# Altium PCB Backend_v1.PcbDoc (part 2 of 3)
Units mm, origin at the board's own origin, x right, y up, seen from the top; angles counter-clockwise.
Board outline 100 x 80 mm, 6 copper layers (Top Layer [SIG], Mid Layer 1 [GND], Mid Layer 2 [SIG], Mid Layer 3 [PWR], Mid Layer 4 [GND], Bottom Layer [SIG]), stack 1.597 mm thick; 235 components, 190 nets, 1031 pads, 639 vias.
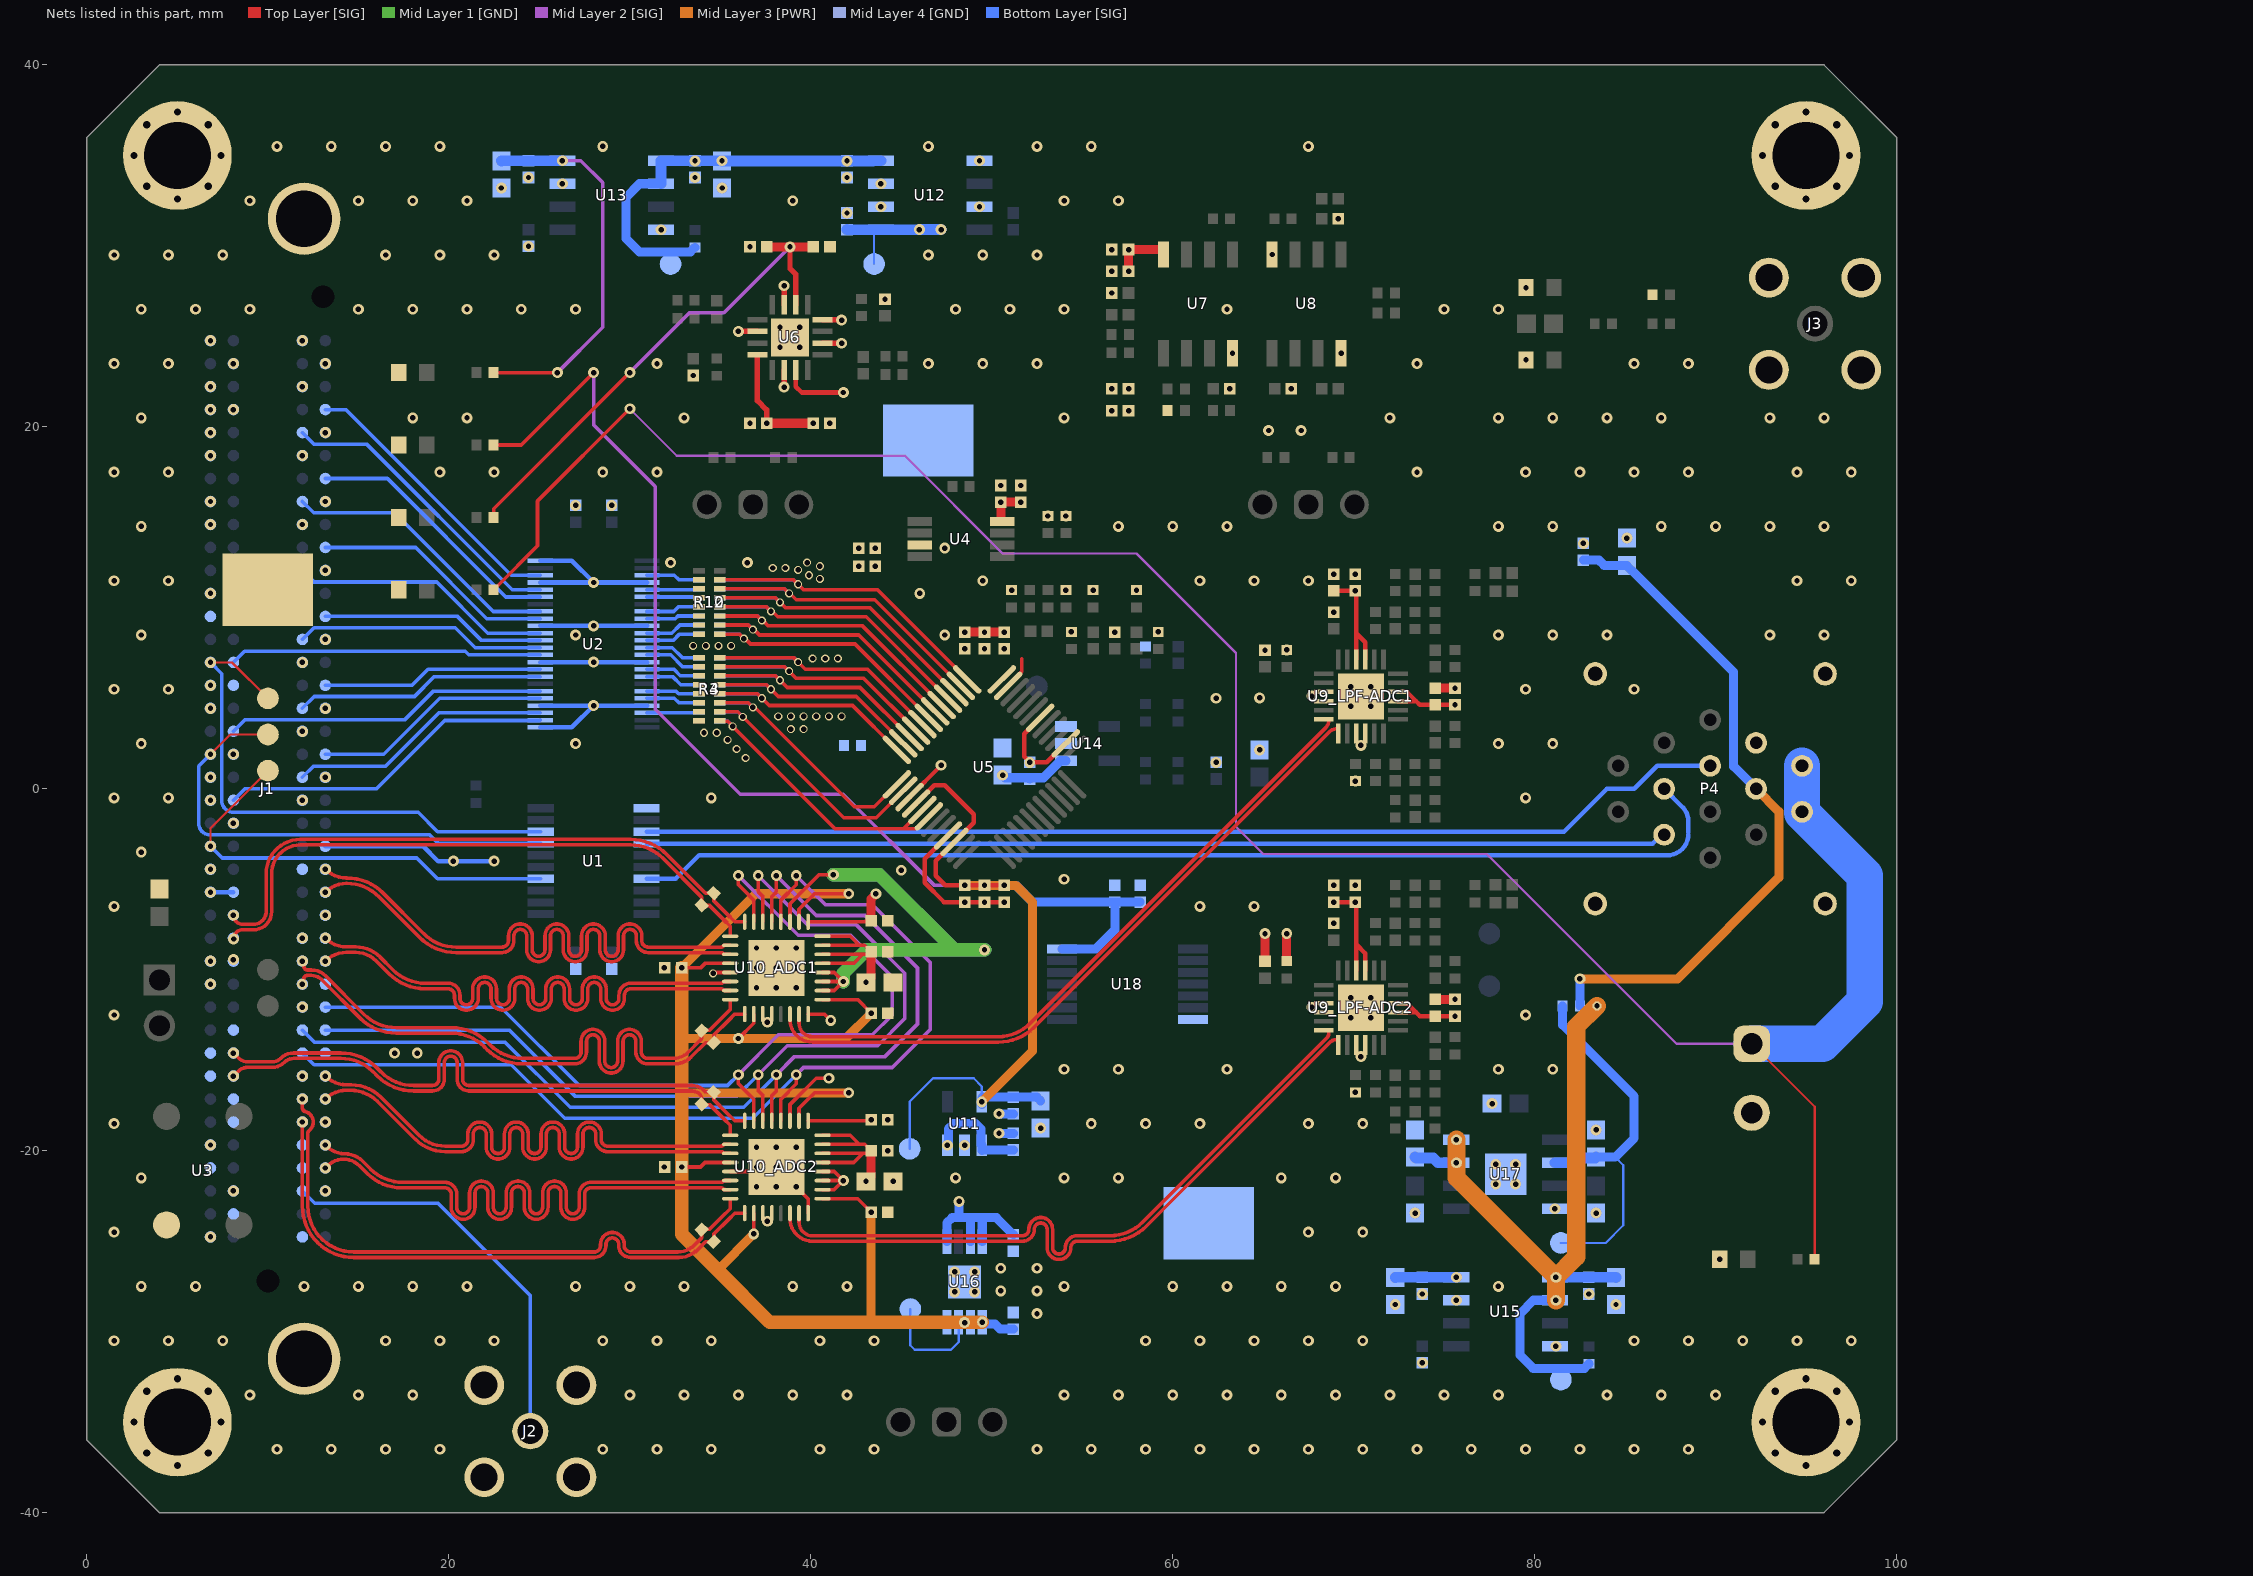
[diagram p6: the nets of this part, all layers, seen from the top]

## Via types
v1: diameter 0.6, hole 0.3, Top Layer [SIG] to Bottom Layer [SIG], tented both sides, 505 vias
v2: diameter 0.45, hole 0.3, Top Layer [SIG] to Bottom Layer [SIG], tented both sides, 43 vias
v3: diameter 0.8, hole 0.4, Top Layer [SIG] to Bottom Layer [SIG], tented both sides, 32 vias
v4: diameter 0.6, hole 0.3, Top Layer [SIG] to Bottom Layer [SIG], tented bottom, 30 vias
v5: diameter 0.5, hole 0.3, Top Layer [SIG] to Bottom Layer [SIG], tented both sides, 20 vias
v6: diameter 0.6, hole 0.3, Top Layer [SIG] to Bottom Layer [SIG], tented top, 8 vias
v7: diameter 0.6, hole 0.3, Top Layer [SIG] to Bottom Layer [SIG], 1 vias

## Nets (pads, with @x,y where several pads share a name; then routed paths per layer and width w, separated by ;. In a path a pad name is that pad's centre, name@x,y a point inside that pad or via, vN(x,y) a via of type N, cw(c..) or ccw(c..) an arc to the next point about the centre after c; other vN are vias at no path point)
+1V8: C58_ADC1.1 C58_ADC2.1 C59_ADC1.1 C59_ADC2.1 C82.1 pad.3@45.5,-28.75 U10_ADC1.2 U10_ADC1.12 U10_ADC1.18 U10_ADC1.25 U10_ADC2.2 U10_ADC2.12 U10_ADC2.18 U10_ADC2.25 U16.1 U16.2 U16.3 | length 104.5
  Top Layer [SIG] w0.2: v1(32.86,-20.9) 33.905,-20.9 34.155,-20.65 U10_ADC2.12@35.55,-20.65 ; v1(32.86,-9.9) 33.905,-9.9 34.155,-9.65 U10_ADC1.12@35.55,-9.65 ; v1(36,-13.8) 36.85,-12.95 U10_ADC1.18@36.85,-12.45 ; v1(36.85,-24.6) U10_ADC2.18@36.85,-23.45 ; U10_ADC2.2@39.35,-18.35 39.35,-17.65 40.2,-16.8 v1(42.1,-16.8) ; U10_ADC1.2@39.35,-7.35 39.35,-6.65 40.2,-5.8 v1(42.1,-5.8) ; U10_ADC2.25@40.65,-22.65 42.59,-22.65 v1(43.34,-23.4) ; U10_ADC1.25@40.65,-11.65 42.59,-11.65 v1(43.34,-12.4)
  Mid Layer 3 [PWR] w0.5: 32.86,-16.8 v1(42.1,-16.8) ; v1(32.86,-9.9) 36.96,-5.8 v1(42.1,-5.8) ; 33.15,-13.8 v1(36,-13.8) 41.94,-13.8 v1(43.34,-12.4) ; 34.85,-26.6 v1(36.85,-24.6) ; 43.34,-29.475 v1(43.34,-23.4)
  Mid Layer 3 [PWR] w0.75: v1(32.86,-9.9) 32.86,-17.09 v1(32.86,-20.9) 32.86,-24.61 34.85,-26.6 37.725,-29.475 43.34,-29.475 48.5,-29.475 v1(49.475,-29.475)
  Bottom Layer [SIG] w0.125: pad.3@45.5,-28.75 45.5,-30.75 45.75,-31 47.75,-31 48.175,-30.575 U16.3@48.175,-29.487
  Bottom Layer [SIG] w0.5: U16.3@48.175,-29.487 48.487,-29.487 v1(48.5,-29.5) 48.513,-29.487 48.825,-29.487 U16.2@48.825,-29.475 v1(49.475,-29.475) 49.475,-29.582 50.182,-29.582 50.46,-29.86 C82.1@51.2,-29.86
+3V3: C14.1 C15.1 C16.1 C62.1 C63.1 C89.1 C90.1 pad.3@45.463,-19.895 R69.2 U5.16 U5.22 U11.5 U18.14 | length 105.8
  Top Layer [SIG] w0.2: 22.775,19 24,19 v1(28,23)
  Top Layer [SIG] w0.25: U5.16@45.817,-0.815 46.832,0.2 47.4,0.2 49,-1.4 49,-1.875 U5.22@47.938,-2.937 46.9,-3.975 46.9,-4.8 47.44,-5.34 v1(48.5,-5.34) v1(49.6,-5.34) v1(50.7,-5.34)
  Mid Layer 2 [SIG] w0.2: v1(28,23) 28,20.1 31.4,16.7 31.4,4.4 36.1,-0.3 41.8,-0.3 46.84,-5.34 v1(48.5,-5.34) v1(50.7,-5.34)
  Mid Layer 3 [PWR] w0.5: v1(48.5,-5.34) v1(50.7,-5.34) 51.34,-5.34 52.25,-6.25 52.25,-14.5 v1(49.45,-17.3)
  Bottom Layer [SIG] w0.125: pad.3@45.463,-19.895 45.463,-17.287 46.75,-16 49,-16 49.45,-16.45 49.45,-17.09 v1(49.45,-17.3)
  Bottom Layer [SIG] w0.5: v1(48.5,-5.34) 51.34,-5.34 52.26,-6.26 C89.1@56.8,-6.26 ; U11.5@49.45,-17.45 U11.5@49.45,-17.35 ; v1(49.45,-17.3) U11.5@49.45,-17.35 ; U11.5@49.45,-17.09 49.5,-17.04 52.49,-17.04 C63.1@52.7,-17.25 ; U11.5@49.5,-17.4 U11.5@49.45,-17.35 ; U18.14@53.875,-8.85 55.75,-8.85 56.8,-7.8 C89.1@56.8,-6.26 ; C90.1@58.2,-6.26 C89.1@56.8,-6.26
+3V3FE: C88.1 pad.3@81.45,-25.1 R67.2 U17.2 | length 21.7
  Bottom Layer [SIG] w0.125: pad.3@81.45,-25.1 83.927,-25.1 84.9,-24.127 84.9,-20.8 84.45,-20.35
  Bottom Layer [SIG] w0.5: R67.2@81.55,-12 81.55,-13.05 85.5,-17 85.5,-19.3 84.45,-20.35 C88.1@83.4,-20.35
  Bottom Layer [SIG] w0.6: U17.2@81.125,-20.665 82.135,-20.665 82.4,-20.4 83.35,-20.4 C88.1@83.4,-20.35
+5V: C7.1 C8.1 C17.1 C18.1 C19.1 C24.1 C25.1 C35.1 C36.1 C50_LPF-ADC1.1 C50_LPF-ADC2.1 C51_LPF-ADC1.1 C51_LPF-ADC2.1 C52_LPF-ADC1.1 C52_LPF-ADC2.1 C53_LPF-ADC1.1 C53_LPF-ADC2.1 C56_ADC1.1 C56_ADC2.1 C57_ADC1.1 C57_ADC2.1 C60_ADC1.1 C60_ADC2.1 C61.1 C64.1 C69.1 C70.1 C72.1 C73.1 C83.1 pad.3@32.25,29 R9.1 R39.2 R41_LPF-ADC1.2 R41_LPF-ADC2.2 R42_LPF-ADC1.2 R42_LPF-ADC2.2 R58.2 R70.2 U4.7 U5.47 U5.48 U6.6 U6.14 U7.8 U8.8 U9_LPF-ADC1.3 U9_LPF-ADC1.4 U9_LPF-ADC1.9 U9_LPF-ADC1.10 U9_LPF-ADC2.3 U9_LPF-ADC2.4 U9_LPF-ADC2.9 U9_LPF-ADC2.10 U10_ADC1.1 U10_ADC1.19 U10_ADC1.20 U10_ADC1.29 U10_ADC1.30 U10_ADC1.31 U10_ADC1.32 U10_ADC2.1 U10_ADC2.19 U10_ADC2.20 U10_ADC2.29 U10_ADC2.30 U10_ADC2.31 U10_ADC2.32 U11.1 U11.3 U12.8 U13.5 U13.6 U14.1 U16.5 U16.7 U16.8 | length 132
  Top Layer [SIG] w0.2: R70.2@22.475,15 22.483,15.008 22.483,15.483 v1(30,23) ; U10_ADC2.1@39.85,-18.35 43.29,-18.35 v1(43.34,-18.3) ; U10_ADC1.1@39.85,-7.35 43,-7.35 C60_ADC1.1@43.05,-7.3 ; U10_ADC2.29@40.65,-20.65 42.375,-20.65 42.875,-20.15 ; U10_ADC2.30@40.65,-20.15 42.875,-20.15 ; U10_ADC2.31@40.65,-19.65 42.675,-19.65 ; U10_ADC2.32@40.65,-19.15 42.175,-19.15 42.675,-19.65 ; U10_ADC1.29@40.65,-9.65 42.375,-9.65 42.875,-9.15 ; U10_ADC1.30@40.65,-9.15 42.875,-9.15 ; U10_ADC1.31@40.65,-8.65 42.675,-8.65 ; U10_ADC1.32@40.65,-8.15 42.175,-8.15 42.675,-8.65 ; C56_ADC1.1@43.19,-9.15 42.875,-9.15 ; C56_ADC1.1@43.34,-9 42.99,-8.65 42.675,-8.65 ; U5.47@50.908,5.69 50.908,5.717 51.65,6.459 51.65,7.175 ; 42.675,-19.65 42.99,-19.65 C56_ADC2.1@43.34,-20 43.325,-20.015 43.19,-20.15 42.875,-20.15
  Top Layer [SIG] w0.25: v1(68.9,-6.26) v1(70.1,-6.26) 70.15,-6.31 70.15,-8.6 ; C50_LPF-ADC1.1@68.9,10.94 v1(70.1,10.94) 70.15,10.89 70.15,8.6 ; U9_LPF-ADC2.10@70.15,-10.05 70.15,-8.6 ; U9_LPF-ADC1.10@70.15,7.15 70.15,8.6 ; U9_LPF-ADC2.9@70.65,-10.05 70.65,-9.1 70.15,-8.6 ; U9_LPF-ADC1.9@70.65,7.15 70.65,8.1 70.15,8.6 ; U9_LPF-ADC2.3@72.45,-12.35 73.45,-12.35 ; U9_LPF-ADC2.4@72.45,-11.85 72.95,-11.85 73.45,-12.35 ; U9_LPF-ADC1.3@72.45,4.85 73.45,4.85 ; U9_LPF-ADC1.4@72.45,5.35 72.95,5.35 73.45,4.85 ; v1(75.6,-12.56) C52_LPF-ADC2.1@74.5,-12.56 73.66,-12.56 73.45,-12.35 ; v1(75.6,4.64) C52_LPF-ADC1.1@74.5,4.64 73.66,4.64 73.45,4.85
  Top Layer [SIG] w0.3: v1(38.525,22.2) U6.6@38.525,23.15 ; v1(38.85,29.95) 38.85,28.75 39.175,28.425 U6.14@39.175,26.75
  Top Layer [SIG] w0.5: C24.1@37.85,29.95 v1(38.85,29.95) C25.1@39.85,29.95 ; v1(43.05,-21.7) 43.075,-21.7 43.325,-21.45 C56_ADC2.1@43.325,-20.015 ; v1(43.05,-10.7) C57_ADC1.1@43.075,-10.7 ; C57_ADC1.1@43.325,-10.45 C56_ADC1.1@43.325,-9.015 ; C60_ADC1.1@43.34,-7.3 43.34,-6.087 43.6,-5.827 v1(43.6,-5.8) ; v1(57.56,28.6) v1(57.56,29.8) 59.345,29.8 59.495,29.65 U7.8@59.495,29.525 ; R41_LPF-ADC2.2@66.3,-9.525 v1(66.3,-8)
  Mid Layer 2 [SIG] w0.2: v1(30,23) 33.3,26.3 35.2,26.3 v1(38.85,29.95)
  Mid Layer 3 [PWR] w0.5: v1(57.56,28.6) v1(57.56,29.8)
  Bottom Layer [SIG] w0.5: U13.6@31.725,33.435 30.535,33.435 29.8,32.7 29.8,30.4 30.525,29.675 33.35,29.675 R58.2@33.6,29.925 ; U16.5@47.525,-25.025 47.525,-23.993 47.818,-23.7 48.2,-23.7 ; v1(47.55,-19.7) 47.6,-19.65 47.6,-18.793 47.893,-18.5 49.107,-18.5 49.4,-18.793 49.4,-19.65 U11.1@49.45,-19.7 U11.1@49.45,-19.91 ; v1(48.2,-22.8) 48.2,-23.7 ; U16.7@48.825,-25.025 48.825,-23.7 ; U11.1@49.45,-20 U11.1@49.45,-19.91 ; U16.8@49.475,-25.025 49.476,-23.7 ; v1(50.6,0.75) 50.74,0.61 52.03,0.61 C73.1@52.1,0.54 52.17,0.61 52.86,0.61 53.8,1.55 U14.1@54.1,1.55 ; C83.1@51.2,-24.64 50.26,-23.7 49.476,-23.7 ; C61.1@51.2,-19.96 49.5,-19.96 U11.1@49.45,-19.91 ; 48.2,-23.7 48.825,-23.7 ; 48.825,-23.7 49.476,-23.7
  Bottom Layer [SIG] w0.6: U13.6@31.725,33.435 U13.5@31.725,34.705 C69.1@33.595,34.705 ; C69.1@33.6,34.705 v1(35.095,34.705) C70.1@35.1,34.7 v1(42,34.7) 43.445,34.7 43.45,34.705 U12.8@43.875,34.705
  other v1: 37.6,-23.9 37.6,-12.9 70.1,0.425 66.3,7.675 48.5,7.74 49.6,7.74 50.7,7.74 47.4,8.5 46.025,10.8 43.56,12.3 43.56,13.3 47.4,13.3 54.1,15.075 69.305,24.075 79.525,27.7 33.6,34.7
  other v5: 70.1,-16.775
+5VFE: C79.1 C80.1 C84.1 pad. R64.2 R66.2 U15.5 U15.6 U17.7 U17.8 | length 41.4
  Mid Layer 3 [PWR] w1: v1(75.675,-19.395) v1(75.675,-20.665) 75.675,-21.495 v1(81.175,-26.995) 82.3,-25.87 82.3,-13.15 v5(83.45,-12) ; v1(81.175,-28.265) v1@81.175,-27.175
  Bottom Layer [SIG] w0.5: U15.6@81.125,-28.265 79.935,-28.265 79.2,-29 79.2,-31.3 79.925,-32.025 82.75,-32.025 R64.2@83,-31.775 ; C80.1@84.5,-27 C80.1@84.5,-26.975
  Bottom Layer [SIG] w0.6: C84.1@73.4,-20.35 73.45,-20.4 74.4,-20.4 74.665,-20.665 v1(75.675,-20.665) ; U15.5@81.125,-26.995 v1(81.175,-26.995) 84.495,-26.995 C80.1@84.5,-27
+5VFE/+3V3FE: C39.1 C40.1 P4.13 R66.1 R67.1 | length 38.1
  Mid Layer 3 [PWR] w0.5: v1(82.5,-10.5) 87.9,-10.5 93.5,-4.9 93.5,-1.26 P4.13@92.24,0
  Bottom Layer [SIG] w0.5: R67.1@82.5,-12 v1(82.5,-10.5) ; C39.1@82.7,12.64 83.56,12.64 83.85,12.35 C40.1@85.1,12.35 ; C40.1@85.1,12.325 85.35,12.075 85.375,12.075 91,6.45 91,1.24 P4.13@92.24,0
+50V: J4.2 P4.5 P4.6 R71.2 R72.2 | length 130.3
  Top Layer [SIG] w0.125: J4.2@92,-14.095 95.475,-17.57 R72.2@95.475,-26
  Top Layer [SIG] w0.2: R71.2@22.475,11 22.475,11.025 22.65,11.2 22.675,11.2 24.9,13.425 24.9,15.9 v1(30,21)
  Mid Layer 2 [SIG] w0.125: v1(30,21) 32.6,18.4 45.2,18.4 50.6,13 58,13 63.5,7.5 63.5,-2.1 65,-3.6 77.35,-3.6 87.845,-14.095 J4.2@92,-14.095
  Bottom Layer [SIG] w2: J4.2@92,-14.095 95.905,-14.095 98.25,-11.75 98.25,-4.795 94.78,-1.325 P4.5@94.78,-1.27 P4.6@94.78,1.27
-5V: C9.1 C10.1 C26.1 C27.1 C37.1 C38.1 C66.1 pad.3@43.5,29 U4.4 U6.4 U6.12 U7.4 U8.4 U12.5 | length 17.4
  Top Layer [SIG] w0.3: U6.4@37.05,23.975 37.05,21.45 37.56,20.94 v1(37.56,20.2) ; U6.12@40.65,25.925 41.675,25.925 v1(41.7,25.9)
  Top Layer [SIG] w0.5: v1(37.56,20.2) v1(40.14,20.2) ; U4.4@50.575,14.775 50.5,14.775 v1(50.5,15.84) v1(51.6,15.84)
  Bottom Layer [SIG] w0.125: pad.3@43.5,29 43.5,30.845 U12.5@44.025,30.845
  Bottom Layer [SIG] w0.6: C66.1@42,30.9 42.005,30.895 U12.5@43.875,30.895 45.995,30.895 v1(46,30.9) v1(47.2,30.9)
  other v1: 57.56,20.9 57.56,22.1 63.305,24.075 65.495,29.525
ADC1_CLK_N: J1.G13 R56_ADC1.2 U10_ADC1.16 | length 33.2
  Top Layer [SIG] w0.2: v1(11.905,-9.525) cw(c11.72,-9.71) 11.982,-9.71 11.982,-9.808 ccw(c12.186,-9.808) 12.041,-9.952 ccw(c12.186,-9.808) 12.186,-10.012 12.403,-10.012 cw(c12.403,-11.11) 13.179,-10.333 15.302,-12.456 ccw(c17.098,-10.66) 17.098,-13.2 20.153,-13.2 cw(c20.153,-16.033) 22.156,-14.03 22.283,-14.156 ccw(c24.079,-12.36) 24.079,-14.9 26.7,-14.9 26.951,-14.9 ccw(c26.951,-14.546) 27.305,-14.546 27.305,-13.952 cw(c27.96,-13.952) 28.616,-13.952 28.616,-15.054 ccw(c28.97,-15.054) 29.324,-15.054 29.324,-13.952 cw(c29.98,-13.952) 30.635,-13.952 30.635,-14.546 ccw(c30.989,-14.546) 30.989,-14.9 31.877,-14.9 32.404,-14.9 ccw(c32.404,-13.735) 33.228,-14.559 33.911,-13.876 ; 33.911,-13.876 ccw(c33.769,-13.735) 33.969,-13.735 33.969,-13.668 ccw(c33.93,-13.668) 33.958,-13.641 cw(c33.985,-13.613) 33.946,-13.613 33.946,-13.407 cw(c34.007,-13.407) R56_ADC1.2@33.964,-13.364 33.982,-13.346 34.194,-13.346 34.196,-13.348 34.403,-13.348 35.097,-12.654 35.55,-12.201 U10_ADC1.16@35.55,-11.65
ADC1_CLK_P: J1.G12 R56_ADC1.1 U10_ADC1.17 | length 33.5
  Top Layer [SIG] w0.2: v1(11.9,-10.8) ccw(c11.715,-10.615) 11.977,-10.615 11.977,-10.517 cw(c12.181,-10.517) 12.036,-10.373 cw(c12.181,-10.517) 12.181,-10.313 12.4,-10.313 cw(c12.4,-11.116) 12.968,-10.548 15.089,-12.67 ccw(c17.097,-10.663) 17.097,-13.502 20.149,-13.502 cw(c20.149,-16.042) 21.946,-14.246 22.1,-14.4 ccw(c24.035,-12.465) 24.035,-15.202 26.7,-15.202 26.951,-15.202 ccw(c26.951,-14.546) 27.606,-14.546 27.606,-13.952 cw(c27.96,-13.952) 28.314,-13.952 28.314,-15.054 ccw(c28.97,-15.054) 29.626,-15.054 29.626,-13.952 cw(c29.98,-13.952) 30.334,-13.952 30.334,-14.546 ccw(c30.989,-14.546) 30.989,-15.202 31.877,-15.202 32.467,-15.202 ccw(c32.467,-13.886) 33.397,-14.816 34.124,-14.089 cw(c34.265,-14.231) 34.265,-14.031 34.332,-14.031 cw(c34.332,-14.07) 34.359,-14.042 ccw(c34.387,-14.015) 34.387,-14.054 34.593,-14.054 ccw(c34.593,-13.993) R56_ADC1.1@34.636,-14.036 34.654,-14.018 34.654,-13.806 34.652,-13.804 34.652,-13.597 35.449,-12.8 35.799,-12.45 U10_ADC1.17@36.35,-12.45
ADC2_CLK_N: J1.G7 R56_ADC2.2 U10_ADC2.16 | length 34.1
  Top Layer [SIG] w0.2: v1(11.905,-17.145) 11.905,-17.641 ccw(c12.105,-17.64) 12.054,-17.834 cw(c11.905,-18.415) 12.281,-18.883 ccw(c12.407,-19.038) 12.207,-19.037 12.207,-23.06 ccw(c14.747,-23.06) 14.747,-25.6 26.517,-25.6 28.025,-25.6 ccw(c28.025,-25.246) 28.379,-25.246 28.379,-25.174 cw(c29.034,-25.174) 29.69,-25.174 29.69,-25.246 ccw(c30.044,-25.246) 30.044,-25.6 31.304,-25.6 32.634,-25.6 ccw(c32.634,-24.264) 33.578,-25.209 33.911,-24.876 ccw(c33.769,-24.735) 33.969,-24.735 33.969,-24.668 ccw(c33.93,-24.668) 33.958,-24.641 cw(c33.985,-24.613) 33.946,-24.613 33.946,-24.407 cw(c34.007,-24.407) R56_ADC2.2@33.964,-24.364 33.982,-24.346 34.194,-24.346 34.196,-24.348 34.403,-24.348 35.097,-23.654 35.55,-23.201 U10_ADC2.16@35.55,-22.65
ADC2_CLK_P: J1.G6 R56_ADC2.1 U10_ADC2.17 | length 33.2
  Top Layer [SIG] w0.2: v1(11.905,-18.415) 11.905,-23.06 ccw(c14.747,-23.06) 14.747,-25.902 23.2,-25.902 25.5,-25.902 26.517,-25.902 28.025,-25.902 ccw(c28.025,-25.246) 28.68,-25.246 28.68,-25.174 cw(c29.034,-25.174) 29.388,-25.174 29.388,-25.246 ccw(c30.044,-25.246) 30.044,-25.902 31.304,-25.902 32.696,-25.902 ccw(c32.696,-24.415) 33.747,-25.466 34.124,-25.089 cw(c34.265,-25.231) 34.265,-25.031 34.332,-25.031 cw(c34.332,-25.07) 34.359,-25.042 ccw(c34.387,-25.015) 34.387,-25.054 34.593,-25.054 ccw(c34.593,-24.993) R56_ADC2.1@34.636,-25.036 34.654,-25.018 34.654,-24.806 34.652,-24.804 34.652,-24.597 35.449,-23.8 35.799,-23.45 U10_ADC2.17@36.35,-23.45
ADC_IN_ADC1_N: U9_LPF-ADC1.19 U10_ADC1.22 | length 38.6
  Top Layer [SIG] w0.2: U10_ADC1.22@38.85,-12.45 38.85,-12.752 ccw(c40.1,-12.752) 40.1,-14.002 50.363,-14.002 ccw(c50.363,-11.228) 52.324,-13.189 68.655,3.141 cw(c69.107,2.689) 69.107,3.329 cw(c69.107,3.286) 69.137,3.316 cw(c69.107,3.286) 69.15,3.286 U9_LPF-ADC1.19@69.15,3.05
ADC_IN_ADC1_P: U9_LPF-ADC1.18 U10_ADC1.23 | length 37.8
  Top Layer [SIG] w0.2: U10_ADC1.23@39.35,-12.45 39.35,-12.95 ccw(c40.1,-12.95) 40.1,-13.7 50.36,-13.7 ccw(c50.36,-11.22) 52.113,-12.974 68.441,3.355 ccw(c67.989,3.807) 68.629,3.807 ccw(c68.586,3.807) 68.616,3.838 ccw(c68.586,3.807) 68.586,3.85 U9_LPF-ADC1.18@68.35,3.85
ADC_IN_ADC2_N: U9_LPF-ADC2.19 U10_ADC2.22 | length 38.8
  Top Layer [SIG] w0.2: U10_ADC2.22@38.85,-23.45 38.85,-23.752 ccw(c40.1,-23.752) 40.1,-25.002 49.422,-25.002 51.698,-25.002 ccw(c51.698,-24.346) 52.353,-24.346 cw(c52.707,-24.346) 53.061,-24.346 53.061,-25.356 ccw(c53.717,-25.356) 54.373,-25.356 cw(c54.727,-25.356) 54.727,-25.002 54.977,-25.002 56.536,-25.002 ccw(c56.536,-22.164) 58.543,-24.171 68.742,-13.971 cw(c68.984,-14.213) 68.984,-13.871 69.107,-13.871 cw(c69.107,-13.914) 69.137,-13.884 cw(c69.107,-13.914) 69.15,-13.914 U9_LPF-ADC2.19@69.15,-14.15
ADC_IN_ADC2_P: U9_LPF-ADC2.18 U10_ADC2.23 | length 38
  Top Layer [SIG] w0.2: U10_ADC2.23@39.35,-23.45 39.35,-23.95 ccw(c40.1,-23.95) 40.1,-24.7 49.422,-24.7 51.698,-24.7 ccw(c51.698,-24.346) 52.052,-24.346 cw(c52.707,-24.346) 53.363,-24.346 53.363,-25.356 ccw(c53.717,-25.356) 54.071,-25.356 cw(c54.727,-25.356) 54.727,-24.7 54.977,-24.7 56.535,-24.7 ccw(c56.535,-22.16) 58.331,-23.956 68.529,-13.758 ccw(c68.287,-13.516) 68.629,-13.516 68.629,-13.393 ccw(c68.586,-13.393) 68.616,-13.363 ccw(c68.586,-13.393) 68.586,-13.35 U9_LPF-ADC2.18@68.35,-13.35
AGND: C7.2 C8.2 C9.2 C10.2 C13.2 C17.2 C18.2 C19.2 C22.2 C23.2 C24.2 C25.2 C26.2 C27.2 C31.2 C32.2 C33.2 C34.2 C35.2 C36.2 C37.2 C38.2 C39.2 C40.2 C50_LPF-ADC1.2 C50_LPF-ADC2.2 C51_LPF-ADC1.2 C51_LPF-ADC2.2 C52_LPF-ADC1.2 C52_LPF-ADC2.2 C53_LPF-ADC1.2 C53_LPF-ADC2.2 C54_LPF-ADC1.2 C54_LPF-ADC2.2 C55_LPF-ADC1.2 C55_LPF-ADC2.2 C56_ADC1.2 C56_ADC2.2 C57_ADC1.2 C57_ADC2.2 C59_ADC1.2 C59_ADC2.2 C60_ADC1.2 C60_ADC2.2 C61.2 C62.2 C63.2 C64.2 C66.2 C72.2 C73.2 C75.2 C76.2 C77.2 C78.2 C79.2 C80.2 C81.2 C82.2 C83.2 C84.2 C85.2 C86.2 C87.2 C88.2 J3.2 J4.1 LED5.2 P4.7 P4.15 P4.16 P4.17 P4.18 pad.0@95,35 pad.0@95,-35 R7.1 R8.1 R11.1 R13.1 R14.1 R15.1 R16.1 R35.1 R38.1 R40.1 R63.1 R65.2 TP2.1 TP3.1 U5.38 U5.42 U6.2 U6.7 U6.10 U6.15 U6.17 U9_LPF-ADC1.15 U9_LPF-ADC1.16 U9_LPF-ADC1.21 U9_LPF-ADC1.22 U9_LPF-ADC1.25 U9_LPF-ADC2.15 U9_LPF-ADC2.16 U9_LPF-ADC2.21 U9_LPF-ADC2.22 U9_LPF-ADC2.25 U10_ADC1.3 U10_ADC1.26 U10_ADC1.27 U10_ADC1.28 U10_ADC2.3 U10_ADC2.26 U10_ADC2.27 U10_ADC2.28 U11.2 U12.1 U12.3 U12.6 U12.7 U14.2 U14.3 U15.3 U16.4 U16.9 U17.0 U17.4 | length 74.8
  Top Layer [SIG] w0.2: U10_ADC2.3@38.85,-18.35 38.85,-17.45 40.3,-16 v1(41,-16) ; U10_ADC1.3@38.85,-7.35 38.85,-6.35 40.45,-4.75 v1(41.25,-4.75) ; U10_ADC2.26@40.65,-22.15 41.3,-22.15 v1(41.8,-21.65) ; U10_ADC2.27@40.65,-21.65 v1(41.8,-21.65) ; U10_ADC2.28@40.65,-21.15 41.3,-21.15 v1(41.8,-21.65) ; U10_ADC1.26@40.65,-11.15 41.3,-11.15 v1(41.8,-10.65) ; U10_ADC1.27@40.65,-10.65 v1(41.8,-10.65) ; U10_ADC1.28@40.65,-10.15 41.3,-10.15 v1(41.8,-10.65)
  Top Layer [SIG] w0.25: U6.7@39.175,23.15 39.175,22.225 39.5,21.9 v1(41.8,21.9) ; U5.42@52.676,3.922 51.8,3.046 51.8,1.781 52.1,1.481 v1(52.1,1.46) 53.042,1.46 U5.38@54.09,2.508 ; U9_LPF-ADC2.25@69.55,-12.35 v4(69.85,-12.65) ; U9_LPF-ADC2.25@69.55,-11.85 v4(69.85,-11.55) ; U9_LPF-ADC1.25@69.55,4.85 v4(69.85,4.55) ; U9_LPF-ADC1.25@69.55,5.35 v4(69.85,5.65) ; U9_LPF-ADC2.25@70.15,-12.35 U9_LPF-ADC2.25@70.4,-12.1 70.4,-12.7 U9_LPF-ADC2.25@70.65,-12.95 ; U9_LPF-ADC1.25@70.15,4.85 U9_LPF-ADC1.25@70.4,5.1 70.4,4.5 U9_LPF-ADC1.25@70.65,4.25
  Top Layer [SIG] w0.3: v1@36.025,25.275 U6.2@37.05,25.275 ; U6.17@38.525,25.275 U6.17@38.85,24.95 U6.17@39.175,24.625 ; U6.15@38.525,26.75 v1@38.525,27.775 ; U6.10@40.65,24.625 41.675,24.625 v1@41.7,24.6
  Top Layer [SIG] w0.5: v1(48.5,8.66) v1(49.6,8.66) v1(50.7,8.66) ; C54_LPF-ADC2.2@65.1,-9.54 v1(65.1,-8) ; C52_LPF-ADC2.2@74.5,-11.64 v1(75.6,-11.64) ; C52_LPF-ADC1.2@74.5,5.56 v1(75.6,5.56)
  Mid Layer 1 [GND] w0.75: v1(41.25,-4.75) 43.787,-4.75 47.937,-8.9 ; v1(41.8,-10.65) 41.8,-10.2 43.1,-8.9 47.937,-8.9 ; v1(49.6,-8.9) 47.937,-8.9
  Mid Layer 4 [GND] w0.75: v1(41.25,-4.75) 43.787,-4.75 47.937,-8.9 ; v1(41.8,-10.65) 41.8,-10.2 43.1,-8.9 47.937,-8.9 ; v1(49.6,-8.9) 47.937,-8.9
  Bottom Layer [SIG] w0.5: v1(50.4,-19.04) C61.2@51.2,-19.04 ; v1(50.4,-17.96) C62.2@51.2,-17.96
  other v1: 40.5,-36.5 43.5,-36.5 52.5,-36.5 55.5,-36.5 58.5,-36.5 61.5,-36.5 64.5,-36.5 67.5,-36.5 70.5,-36.5 73.5,-36.5 76.5,-36.5 79.5,-36.5 82.5,-36.5 85.5,-36.5 88.5,-36.5 39,-33.5 42,-33.5 54,-33.5 57,-33.5 60,-33.5 63,-33.5 66,-33.5 69,-33.5 72,-33.5 75,-33.5 78,-33.5 84,-33.5 87,-33.5 90,-33.5 73.8,-31.72 40.5,-30.5 43.5,-30.5 58.5,-30.5 61.5,-30.5 64.5,-30.5 67.5,-30.5 70.5,-30.5 85.5,-30.5 88.5,-30.5 91.5,-30.5 94.5,-30.5 97.5,-30.5 52.5,-29 72.3,-28.5 84.5,-28.5 75.675,-28.265 73.8,-27.92 83,-27.92 50.5,-27.75 52.5,-27.75 39,-27.5 42,-27.5 54,-27.5 60,-27.5 63,-27.5 66,-27.5 69,-27.5 78,-27.5 50.5,-26.5 52.5,-26.5 67.5,-24.5 70.5,-24.5 73.4,-23.45 83.4,-23.45 81.125,-23.205 44.55,-21.7 48,-21.5 54,-21.5 57,-21.5 66,-21.5 69,-21.5 44.26,-20 48.5,-19.7 83.4,-18.85 52.7,-18.75 55.5,-18.5 58.5,-18.5 61.5,-18.5 67.5,-18.5 70.5,-18.5 44.26,-18.3 77.65,-17.4 54,-15.5 57,-15.5 63,-15.5 78,-15.5 81,-15.5 70.4,-14.8 79.5,-12.5 67.698,-12.077 68.9,-7.44 61.5,-6.5 64.5,-6.5 68.9,-5.34 70.1,-5.34 54,-5 79.5,-0.5 62.4,1.46 64.8,2.15 70.4,2.4 78,2.5 81,2.5 62.4,5 64.8,5.025 67.698,5.123 79.5,5.5 85.5,5.5 65.1,7.66 78,8.5 81,8.5 84,8.5 93,8.5 96,8.5 68.9,9.76 49.5,11.5 61.5,11.5 64.5,11.5 67.5,11.5 94.5,11.5 97.5,11.5 68.9,11.86 70.1,11.86 42.64,12.3 42.64,13.3 82.7,13.56 85.1,13.85 57,14.5 60,14.5 63,14.5 78,14.5 81,14.5 87,14.5 90,14.5 93,14.5 96,14.5 53.1,15.075 50.5,16.76 51.6,16.76 31.5,17.5 73.5,17.5 79.5,17.5 82.5,17.5 85.5,17.5 88.5,17.5 94.5,17.5 97.5,17.5 65.3,19.8 67.1,19.8 36.64,20.2 41.06,20.2 33,20.5 54,20.5 72,20.5 78,20.5 81,20.5 84,20.5 87,20.5 93,20.5 96,20.5 56.64,20.9 56.64,22.1 63.16,22.1 66.56,22.1 33.5,22.84 31.5,23.5 46.5,23.5 49.5,23.5 52.5,23.5 73.5,23.5 85.5,23.5 88.5,23.5 79.525,23.7 41.7,24.625 36,25.275 48,26.5 51,26.5 54,26.5 63,26.5 75,26.5 78,26.5 44.1,27.06 56.64,27.4 38.525,27.8 56.64,28.6 46.5,29.5 49.5,29.5 52.5,29.5 56.64,29.8 36.64,29.95 69.16,31.5 42,31.82 43.875,32.165 49.325,32.165 39,32.5 54,32.5 57,32.5 43.875,33.435 42,33.78 49.325,34.705 46.5,35.5 52.5,35.5 55.5,35.5 67.5,35.5